# Altium PCB SX-SCPCB-038.PCB_DTMF密码锁模块PCB图V1.2.PcbDoc (part 2 of 2)
Units mm, origin at the board's own origin, x right, y up, seen from the top; angles counter-clockwise.
Board outline 230 x 100.2 mm, 2 copper layers (Top Layer, Bottom Layer); 112 components, 86 nets, 403 pads, 151 vias.
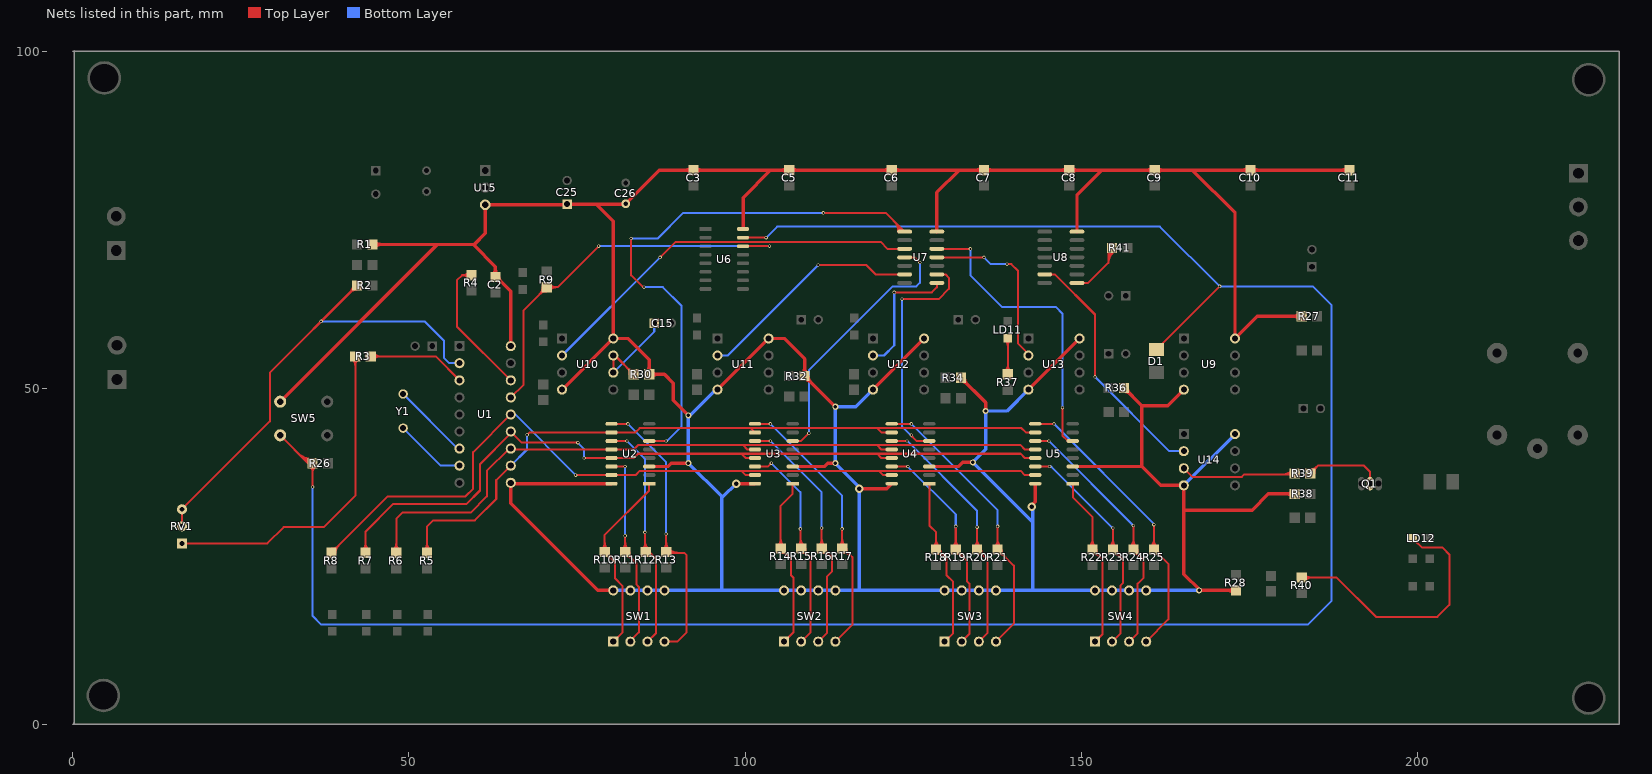
[diagram p2: the nets of this part, all layers, seen from the top]

## Via types
v1: diameter 0.5, hole 0.3, Top Layer to Bottom Layer, 141 vias
v2: diameter 0.9, hole 0.5, Top Layer to Bottom Layer, 7 vias
v3: diameter 1.27, hole 0.711, Top Layer to Bottom Layer, 3 vias

## Nets (pads, with @x,y where several pads share a name; then routed paths per layer and width w, separated by ;. In a path a pad name is that pad's centre, name@x,y a point inside that pad or via, vN(x,y) a via of type N, cw(c..) or ccw(c..) an arc to the next point about the centre after c; other vN are vias at no path point) (continued)
NetLD11_1: LD11.1 R37.1 | length 9.5
  Top Layer w0.3: R37.1@138.632,52.503 ccw(c137.587,53.548) 139.065,53.548 ccw(c140.542,53.547) R37.1@139.498,52.503 ; LD11.1@138.729,57.063 cw(c137.918,56.252) 139.065,56.252 cw(c140.212,56.252) LD11.1@139.401,57.063 ; R37.1@139.065,52.07 LD11.1@139.065,57.424
NetLD12_1: LD12.1 R40.2 | length 43.2
  Top Layer w0.3: R40.2@182.753,21.844 187.96,21.844 193.802,16.002 202.946,16.002 204.724,17.78 204.724,25.273 203.708,26.289 200.68,26.289 LD12.1@199.283,27.686 ; R40.2@183.186,21.411 cw(c184.231,20.367) 184.231,21.844 cw(c184.231,23.322) R40.2@183.186,22.277 ; LD12.1@199.308,27.211 cw(c199.308,26.125) 200.076,26.893 ; LD12.1@199.783,27.686 ccw(c200.99,27.686) 200.137,26.832
NetQ1_2: Q1.2 R39.1 | length 13.8
  Top Layer w0.3: R39.1@184.023,37.338 185.166,38.481 192.024,38.481 192.913,37.592 Q1.2@192.913,35.814 ; R39.1@184.023,37.95 ccw(c184.023,39.428) 185.068,38.383 ccw(c186.113,37.338) R39.1@184.635,37.338
NetR2_2: R2.2 RV1.2 RV1.3 U1.2 | length 73.6
  Top Layer w0.3: RV1.3@16.256,29.464 RV1.2@16.256,32.004 29.337,45.085 29.337,52.324 R2.2@42.291,65.278 ; R2.2@41.679,65.278 cw(c40.201,65.278) 41.246,64.233 cw(c42.291,63.189) R2.2@42.291,64.666
  Bottom Layer w0.3: v1(36.957,59.944) 52.324,59.944 55.245,57.023 55.245,54.483 56.007,53.721 U1.2@57.531,53.721
NetR3_1: R3.1 RV1.1 | length 51.7
  Top Layer w0.3: RV1.1@16.256,26.924 28.956,26.924 31.369,29.337 37.338,29.337 42.037,34.036 R3.1@42.037,54.737 ; R3.1@41.604,54.304 cw(c40.559,53.259) 42.037,53.259 cw(c43.515,53.259) R3.1@42.47,54.304
NetR3_2: R3.2 U1.3 | length 17
  Top Layer w0.3: R3.2@44.323,54.737 53.975,54.737 U1.3@57.531,51.181 ; R3.2@44.756,54.304 cw(c45.801,53.259) 45.801,54.737 cw(c45.801,56.214) R3.2@44.756,55.17
NetR4_1: R4.1 U1.16 | length 22.8
  Top Layer w0.3: R4.1@58.859,66.387 ccw(c57.912,65.514) 57.912,66.802 ; R4.1@58.859,67.217 cw(c57.912,68.09) 57.912,66.802 ; R4.1@59.309,66.802 57.912,66.802 ; U1.16@65.151,51.181 57.15,59.182 57.15,66.04 57.912,66.802
NetR9_2: R9.2 U1.15 U6.14 | length 62.8
  Top Layer w0.3: U1.15@65.151,48.641 67.056,50.546 67.056,61.595 R9.2@70.485,65.024 72.136,65.024 v1(78.232,71.12) ; R9.2@69.873,65.024 cw(c68.395,65.024) 69.44,63.979 cw(c70.485,62.934) R9.2@70.485,64.412 ; R9.2@70.918,64.591 cw(c71.962,63.546) 71.962,65.024 cw(c71.962,66.501) R9.2@70.918,65.457 ; U6.14@99.695,71.12 v1(103.632,71.12)
  Bottom Layer w0.3: v1(78.232,71.12) v1(103.632,71.12)
NetR10_2: R10.2 SW1.1 U2.1 | length 32.6
  Top Layer w0.3: R10.2@78.688,26.087 ccw(c77.644,27.131) 79.121,27.131 ccw(c80.599,27.132) R10.2@79.554,26.087 ; R10.2@79.121,25.042 cw(c79.121,23.565) 80.166,24.609 cw(c81.211,25.654) R10.2@79.733,25.654 ; SW1.1@80.391,12.319 81.788,13.716 81.788,20.574 80.645,21.717 80.645,24.13 R10.2@79.121,25.654 79.121,28.194 85.725,34.798 U2.1@85.725,35.814
NetR11_2: R11.2 SW1.2 U2.14 | length 35.7
  Top Layer w0.3: U2.14@80.137,38.354 v1(82.169,38.354) ; R11.2@81.736,26.087 ccw(c80.692,27.131) 82.169,27.131 ccw(c83.647,27.132) R11.2@82.602,26.087 ; R11.2@82.169,25.042 cw(c82.169,23.565) 83.214,24.609 cw(c84.259,25.654) R11.2@82.781,25.654 ; v1(82.169,28.067) 82.169,26.543 ; SW1.2@82.931,12.319 82.931,12.446 84.201,13.716 84.201,20.447 83.82,20.828 83.82,24.003 R11.2@82.169,25.654 82.169,26.543 ; 82.169,26.543 cw(c81.829,26.543) 81.951,26.226 ccw(c81.829,26.543) 82.169,26.543 ; 82.169,26.543 ccw(c82.509,26.543) 82.387,26.226 cw(c82.509,26.543) 82.169,26.543
  Bottom Layer w0.3: v1(82.169,28.067) v1(82.169,38.354)
NetR12_2: R12.2 SW1.3 U2.11 | length 41.2
  Top Layer w0.3: U2.11@80.137,42.164 v1(82.423,42.164) ; R12.2@84.784,26.087 ccw(c84.046,26.825) 85.09,26.825 ; 85.09,26.714 ccw(c86.277,26.714) R12.2@85.438,25.875 ; 85.09,27.438 ccw(c87.001,27.438) R12.2@85.65,26.087 ; v1(85.09,28.575) 85.09,26.289 86.741,24.638 ; R12.2@85.219,25.642 cw(c85.385,24.851) R12.2@85.956,25.423 ; R12.2@85.281,25.349 cw(c85.52,24.202) 86.349,25.03 ; R12.2@85.342,25.055 cw(c85.656,23.553) 86.741,24.638 ; SW1.3@85.471,12.319 86.741,13.589 86.741,24.638
  Bottom Layer w0.3: v1(82.423,42.164) 85.09,39.497 v1(85.09,28.575)
NetR13_2: R13.2 SW1.4 U2.9 | length 47.8
  Top Layer w0.3: U2.9@80.137,44.704 v1(82.55,44.704) ; R13.2@87.832,26.087 ccw(c86.788,27.132) 88.265,27.132 ccw(c89.743,27.132) 88.698,26.087 ccw(c90.049,27.438) 90.049,25.527 ; SW1.4@88.011,12.319 89.916,12.319 91.313,13.716 91.313,25.146 90.932,25.527 88.646,25.527 88.265,25.908 v1(88.265,28.321) ; R13.2@88.486,25.875 ccw(c89.325,26.714) 89.325,25.527 ; R13.2@88.698,25.221 cw(c89.436,24.483) 89.436,25.527
  Bottom Layer w0.3: v1(82.55,44.704) 88.265,38.989 v1(88.265,28.321)
NetR14_2: R14.2 SW2.1 U3.1 | length 30.2
  Top Layer w0.3: R14.2@104.85,26.595 ccw(c103.806,27.64) 105.283,27.64 ccw(c106.761,27.64) R14.2@105.716,26.595 ; R14.2@105.283,25.55 cw(c105.283,24.073) 106.328,25.117 cw(c107.373,26.162) R14.2@105.895,26.162 ; SW2.1@105.791,12.319 107.188,13.716 107.188,21.844 106.807,22.225 106.807,24.638 R14.2@105.283,26.162 105.283,32.512 107.061,34.29 U3.1@107.061,35.814
NetR15_2: R15.2 SW2.2 U3.14 | length 37.7
  Top Layer w0.3: U3.14@101.625,38.354 103.378,38.354 v1(103.886,38.862) ; R15.2@107.898,26.595 ccw(c107.16,27.333) 108.204,27.333 ; 108.204,27.222 ccw(c109.391,27.222) R15.2@108.552,26.383 ; 108.204,27.946 ccw(c110.115,27.946) R15.2@108.764,26.595 ; v1(108.204,29.083) 108.204,26.289 R15.2@108.331,26.162 109.728,24.765 109.728,13.716 SW2.2@108.331,12.319 ; R15.2@108.331,25.55 cw(c108.331,24.073) 109.376,25.117 cw(c110.421,26.162) R15.2@108.943,26.162
  Top Layer w0.5: U3.14@101.473,38.354 U3.14@101.625,38.354
  Bottom Layer w0.3: v1(103.886,38.862) 108.204,34.544 v1(108.204,29.083)
NetR16_2: R16.2 SW2.3 U3.11 | length 42.6
  Top Layer w0.3: U3.11@101.473,42.164 v1(103.759,42.164) ; SW2.3@110.871,12.319 112.141,13.589 112.141,21.971 112.903,22.733 112.903,24.892 111.633,26.162 R16.2@111.379,26.162 v1(111.379,29.21) ; R16.2@110.946,26.595 ccw(c109.902,27.639) 111.379,27.639 ccw(c112.857,27.64) R16.2@111.812,26.595 ; R16.2@111.379,25.55 cw(c111.379,23.459) 112.857,24.938 ; R16.2@111.379,25.85 cw(c111.379,24.484) 112.345,25.45 ; R16.2@111.991,26.162 ccw(c112.855,26.162) 112.244,25.551
  Bottom Layer w0.3: v1(103.759,42.164) 111.379,34.544 v1(111.379,29.21)
NetR17_2: R17.2 SW2.4 U3.9 | length 46.6
  Top Layer w0.3: U3.9@101.473,44.704 v1(103.759,44.704) ; SW2.4@113.411,12.319 115.951,14.859 115.951,24.892 114.681,26.162 R17.2@114.427,26.162 v1(114.427,29.083) ; R17.2@113.994,26.595 ccw(c112.95,27.639) 114.427,27.639 ccw(c115.905,27.64) R17.2@114.86,26.595 ; R17.2@114.427,25.55 cw(c114.427,23.459) 115.905,24.938 ; R17.2@114.427,25.85 cw(c114.427,24.484) 115.393,25.45 ; R17.2@115.039,26.162 ccw(c115.903,26.162) 115.292,25.551
  Bottom Layer w0.3: v1(103.759,44.704) 114.427,34.036 v1(114.427,29.083)
NetR18_2: R18.2 SW3.1 U4.1 | length 31.4
  Top Layer w0.3: U4.1@127.381,35.814 127.381,29.591 128.397,28.575 R18.2@128.397,26.035 128.651,26.035 129.921,24.765 129.921,22.225 130.937,21.209 130.937,13.589 SW3.1@129.667,12.319 ; R18.2@127.964,26.468 ccw(c126.92,27.513) 128.397,27.513 ccw(c129.875,27.513) R18.2@128.83,26.468 ; R18.2@128.397,25.423 cw(c128.397,23.332) 129.875,24.811 ; R18.2@128.397,25.723 cw(c128.397,24.357) 129.363,25.323 ; R18.2@129.009,26.035 ccw(c129.873,26.035) 129.262,25.424
NetR19_2: R19.2 SW3.2 U4.14 | length 37.9
  Top Layer w0.3: U4.14@121.793,38.354 v1(124.206,38.354) ; R19.2@130.885,26.468 ccw(c129.841,27.513) 131.318,27.513 ccw(c132.796,27.513) R19.2@131.751,26.468 ; R19.2@131.318,25.423 cw(c131.318,23.946) 132.363,24.99 cw(c133.408,26.035) R19.2@131.93,26.035 ; v1(131.318,29.464) R19.2@131.318,26.035 132.969,24.384 132.969,21.336 133.35,20.955 133.35,13.462 SW3.2@132.207,12.319
  Bottom Layer w0.3: v1(124.206,38.354) 131.318,31.242 131.318,29.211 v1(131.318,29.464)
NetR20_2: R20.2 SW3.3 U4.11 | length 42.2
  Top Layer w0.3: U4.11@121.793,42.164 v1(124.079,42.164) ; R20.2@134.06,26.468 ccw(c133.016,27.513) 134.493,27.513 ccw(c135.971,27.513) R20.2@134.926,26.468 ; R20.2@134.493,25.423 cw(c134.493,23.946) 135.538,24.99 cw(c136.583,26.035) R20.2@135.105,26.035 ; v1(134.493,29.337) R20.2@134.493,26.035 136.017,24.511 136.017,13.589 SW3.3@134.747,12.319
  Bottom Layer w0.3: v1(124.079,42.164) 134.493,31.75 v1(134.493,29.337)
NetR21_2: R21.2 SW3.4 U4.9 | length 47.4
  Top Layer w0.3: U4.9@121.793,44.704 v1(124.714,44.704) ; R21.2@137.108,26.468 ccw(c136.064,27.512) 137.541,27.512 ccw(c139.019,27.513) R21.2@137.974,26.468 ; SW3.4@137.287,12.319 139.954,14.986 139.954,23.622 R21.2@137.541,26.035 v1(137.541,29.464) ; R21.2@137.541,25.423 cw(c137.541,23.946) 138.586,24.99 cw(c139.631,26.035) R21.2@138.153,26.035
  Bottom Layer w0.3: v1(124.714,44.704) 137.541,31.877 v1(137.541,29.464)
NetR22_2: R22.2 SW4.1 U5.1 | length 30.5
  Top Layer w0.3: U5.1@148.717,35.814 148.717,33.782 151.638,30.861 R22.2@151.638,26.035 153.162,24.511 153.162,13.462 SW4.1@152.019,12.319 ; R22.2@151.205,26.468 ccw(c150.161,27.513) 151.638,27.513 ccw(c153.116,27.513) R22.2@152.071,26.468 ; R22.2@151.638,25.423 cw(c151.638,23.946) 152.683,24.99 cw(c153.728,26.035) R22.2@152.25,26.035
NetR23_2: R23.2 SW4.2 U5.14 | length 38.2
  Top Layer w0.3: U5.14@143.129,38.354 v1(145.288,38.354) ; R23.2@154.253,26.468 ccw(c153.209,27.513) 154.686,27.513 ccw(c156.164,27.513) R23.2@155.119,26.468 ; SW4.2@154.559,12.319 155.829,13.589 155.829,20.701 156.21,21.082 156.21,24.511 R23.2@154.686,26.035 v1(154.686,29.21) ; R23.2@154.686,25.423 cw(c154.686,23.946) 155.731,24.99 cw(c156.776,26.035) R23.2@155.298,26.035
  Bottom Layer w0.3: v1(145.288,38.354) 145.542,38.354 v1(154.686,29.21)
NetR24_2: R24.2 SW4.3 U5.11 | length 43.3
  Top Layer w0.3: U5.11@143.129,42.164 v1(145.161,42.164) ; SW4.3@157.099,12.319 158.369,13.589 158.369,20.955 159.258,21.844 159.258,24.511 R24.2@157.734,26.035 v1(157.734,29.591) ; R24.2@157.301,26.468 ccw(c156.257,27.513) 157.734,27.513 ccw(c159.212,27.513) R24.2@158.167,26.468 ; R24.2@157.734,25.423 cw(c157.734,23.946) 158.779,24.99 cw(c159.824,26.035) R24.2@158.346,26.035
  Bottom Layer w0.3: v1(145.161,42.164) v1(157.734,29.591)
NetR25_2: R25.2 SW4.4 U5.9 | length 48.2
  Top Layer w0.3: U5.9@143.129,44.704 v1(145.923,44.704) ; SW4.4@159.639,12.319 162.941,15.621 162.941,23.876 R25.2@160.782,26.035 v1(160.782,29.718) ; R25.2@160.349,26.468 ccw(c159.305,27.512) 160.782,27.512 ccw(c162.26,27.513) R25.2@161.215,26.468 ; R25.2@160.782,25.423 cw(c160.782,23.946) 161.827,24.99 cw(c162.872,26.035) R25.2@161.394,26.035
  Bottom Layer w0.3: v1(145.923,44.704) 160.782,29.845 v1(160.782,29.718)
NetR30_2: C15.1 R30.2 U10.6 U10.7 | length 19
  Top Layer w0.3: U10.6@80.391,52.324 U10.7@80.391,54.864 80.645,54.864 R30.2@83.439,52.07 ; R30.2@82.827,52.07 ccw(c81.349,52.07) 82.394,53.115 ccw(c83.439,54.16) R30.2@83.439,52.682
  Bottom Layer w0.3: U10.6@80.391,52.324 86.487,58.42 C15.1@86.487,59.69
NetR39_2: R39.2 U14.3 | length 20.6
  Top Layer w0.3: U14.3@165.227,38.1 166.497,36.83 173.863,36.83 174.223,37.19 181.589,37.19 R39.2@181.737,37.338 ; 179.902,37.19 ccw(c179.902,39.173) R39.2@181.304,37.771 ; 180.617,37.19 cw(c180.617,36.218) R39.2@181.304,36.905 ; 180.626,37.19 ccw(c180.626,38.449) R39.2@181.516,37.559
NetR41_2: R41.2 U8.8 | length 13.5
  Top Layer w0.3: U8.8@149.339,65.659 151.003,65.659 154.051,68.707 R41.2@154.051,70.866 ; U8.8@150.245,65.553 cw(c150.501,65.297) 150.501,65.659 cw(c150.501,66.021) U8.8@150.245,65.765 ; 154.051,68.648 cw(c156.195,68.648) R41.2@154.922,70.374 ; 154.051,69.242 cw(c155.757,69.242) R41.2@154.744,70.615 ; 154.051,69.836 cw(c155.319,69.836) R41.2@154.566,70.856
NetU1_7: U1.7 Y1.2 | length 11.7
  Bottom Layer w0.3: Y1.2@49.149,49.149 57.277,41.021 U1.7@57.531,41.021
NetU1_8: U1.8 Y1.1 | length 10.7
  Bottom Layer w0.3: Y1.1@49.149,44.069 54.737,38.481 U1.8@57.531,38.481
NetU2_6: U2.6 U7.1 | length 85.7
  Top Layer w0.3: v1(83.058,72.263) 83.058,66.802 84.836,65.024 v1(84.963,65.024) ; U2.6@85.725,42.164 v1(88.265,42.164) ; v1(111.633,76.073) 120.917,76.073 U7.1@123.711,73.279 ; 122.089,74.901 cw(c120.467,73.279) U7.1@122.761,73.279 ; 122.601,74.389 cw(c121.492,73.279) U7.1@123.061,73.279 ; 123.114,73.876 cw(c122.516,73.279) U7.1@123.361,73.279 ; U7.1@123.626,73.364 cw(c123.54,73.279) U7.1@123.661,73.279
  Bottom Layer w0.3: v1(83.058,72.263) 86.995,72.263 90.805,76.073 v1(111.633,76.073) ; v1(84.963,65.024) 87.757,65.024 90.551,62.23 90.551,44.323 88.392,42.164 v1(88.265,42.164)
NetU3_6: U3.6 U7.4 | length 39.8
  Top Layer w0.3: U3.6@107.061,42.164 108.331,42.164 v1(109.474,43.307) ; U7.4@123.711,69.469 125.222,69.469 v1(125.984,68.707)
  Bottom Layer w0.3: v1(109.474,43.307) 109.474,52.705 121.92,65.151 125.476,65.151 125.984,65.659 v1(125.984,68.707)
NetU4_6: U4.6 U7.9 | length 35.7
  Top Layer w0.3: v1(123.317,63.246) 128.778,63.246 130.302,64.77 130.302,66.421 129.794,66.929 U7.9@128.511,66.929 ; v1(124.714,43.053) 124.714,42.926 125.476,42.164 125.73,42.164 U4.6@127.381,42.164
  Bottom Layer w0.3: v1@123.317,63.373 123.317,44.323 124.904,42.735
NetU5_6: U5.6 U7.12 | length 45
  Top Layer w0.3: U7.12@128.511,70.739 v1(133.477,70.739) ; v1(147.193,47.117) 147.193,42.926 147.955,42.164 U5.6@148.717,42.164
  Bottom Layer w0.3: v1(133.477,70.739) 133.477,66.802 138.176,62.103 146.177,62.103 147.193,61.087 v1(147.193,47.117)
NetU7_3: U7.3 U10.2 | length 58.4
  Top Layer w0.3: v1(87.376,69.469) 89.662,71.755 120.142,71.755 121.158,70.739 U7.3@123.711,70.739
  Bottom Layer w0.3: U10.2@72.771,54.864 v1(87.376,69.469)
NetU7_6: U7.6 U11.2 | length 34
  Top Layer w0.3: v1(110.871,68.326) 117.983,68.326 119.38,66.929 U7.6@123.711,66.929
  Bottom Layer w0.3: U11.2@95.885,54.864 97.409,54.864 v1(110.871,68.326)
NetU7_8: U7.8 U12.2 | length 19
  Top Layer w0.3: v1(122.174,64.262) 127.762,64.262 128.511,65.011 U7.8@128.511,65.659
  Bottom Layer w0.3: U12.2@118.999,54.864 120.65,54.864 122.174,56.388 v1(122.174,64.262)
NetU7_11: U7.11 U13.2 | length 26.1
  Top Layer w0.3: U7.11@128.511,69.469 v1(135.509,69.469) ; v1(138.938,68.453) 139.573,68.453 140.589,67.437 140.589,56.642 142.113,55.118 U13.2@142.113,54.864
  Bottom Layer w0.3: v1(135.509,69.469) 136.525,68.453 v1(138.938,68.453)
NetU8_6: U8.6 U14.2 | length 37.6
  Top Layer w0.3: U8.6@144.539,66.929 146.05,66.929 152.019,60.96 v1(152.019,51.689) ; U8.6@145.445,66.823 cw(c145.701,66.567) 145.701,66.929 cw(c145.701,67.291) U8.6@145.445,67.035
  Bottom Layer w0.3: v1(152.019,51.689) 163.068,40.64 U14.2@165.227,40.64
Q1: R5.2 U1.11 U2.10 U3.10 U4.10 U5.10 | length 110.7
  Top Layer w0.3: R5.2@52.272,25.96 ccw(c51.228,27.005) 52.705,27.005 ccw(c54.183,27.005) R5.2@53.138,25.96 ; R5.2@52.705,25.527 52.705,29.464 53.594,30.353 59.817,30.353 62.992,33.528 62.992,36.322 U1.11@65.151,38.481 ; v1(67.595,43.084) 67.945,43.434 U2.10@80.137,43.434 83.693,43.434 84.328,44.069 100.838,44.069 ; 99.314,44.069 100.838,44.069 ; U3.10@101.509,43.398 100.838,44.069 ; U4.10@121.793,43.434 120.269,43.434 119.634,44.069 ; 122.301,44.069 119.634,44.069 ; 122.428,44.069 141.097,44.069 141.732,43.434 U5.10@143.129,43.434 ; 100.838,44.069 119.634,44.069
  Bottom Layer w0.3: U1.11@65.151,38.481 67.564,40.894 67.564,43.053 v1(67.595,43.084)
Q2: R6.2 U1.12 U2.12 U3.12 U4.12 U5.12 | length 114
  Top Layer w0.3: R6.2@47.7,25.96 ccw(c46.656,27.005) 48.133,27.005 ccw(c49.611,27.005) R6.2@48.566,25.96 ; R6.2@48.133,25.527 48.133,30.607 49.022,31.496 59.182,31.496 61.595,33.909 61.595,37.719 64.897,41.021 U1.12@65.151,41.021 65.278,40.894 74.676,40.894 U2.12@80.137,40.894 83.439,40.894 84.074,41.529 99.695,41.529 ; U3.12@101.473,40.894 100.33,40.894 99.695,41.529 ; U4.12@121.793,40.894 120.269,40.894 119.634,41.529 ; U5.12@143.129,40.894 141.605,40.894 140.97,41.529 119.634,41.529 ; 99.695,41.529 119.634,41.529
Q3: R7.2 U1.13 U2.13 U3.13 U4.13 U5.13 | length 121.3
  Top Layer w0.3: R7.2@43.128,25.96 ccw(c42.084,27.005) 43.561,27.005 ccw(c45.039,27.005) R7.2@43.994,25.96 ; R7.2@43.561,25.527 43.561,28.702 47.625,32.766 58.547,32.766 60.579,34.798 60.579,38.718 65.151,43.29 U1.13@65.151,43.561 66.802,41.91 v1(75.118,41.91) ; v1(76.073,39.624) U2.13@80.137,39.624 83.439,39.624 84.074,40.259 99.441,40.259 ; U3.13@101.473,39.624 100.076,39.624 99.441,40.259 ; U4.13@121.793,39.624 120.269,39.624 119.634,40.259 ; U5.13@143.129,39.624 141.605,39.624 140.97,40.259 119.634,40.259 ; 99.441,40.259 119.634,40.259
  Bottom Layer w0.3: v1(75.118,41.91) 76.073,40.955 v1(76.073,39.624)
Q4: R8.2 U1.14 U2.15 U3.15 U4.15 U5.15 | length 127.4
  Top Layer w0.3: R8.2@38.481,25.527 46.863,33.909 58.42,33.909 59.563,35.052 59.563,40.513 U1.14@65.151,46.101 ; R8.2@38.481,26.139 ccw(c38.481,27.617) 39.526,26.572 ccw(c40.571,25.527) R8.2@39.093,25.527 ; v1(74.803,37.084) U2.15@80.137,37.084 83.693,37.084 84.328,37.719 99.568,37.719 ; U3.15@101.473,37.084 100.076,37.084 99.568,37.592 99.568,37.719 ; U4.15@121.793,37.084 120.523,37.084 119.888,37.719 ; U5.15@143.129,37.084 141.605,37.084 140.97,37.719 119.888,37.719 ; 99.568,37.719 119.888,37.719
  Bottom Layer w0.3: U1.14@65.151,46.101 65.786,46.101 v1(74.803,37.084)
RESET: D1.2 R26.2 SW5.2 U6.15 | length 341
  Top Layer w0.3: SW5.2@30.861,43.006 35.005,38.862 R26.2@35.687,38.862 v1(35.687,35.306) ; 33.478,40.389 ccw(c35.687,42.598) R26.2@35.687,39.474 ; 33.99,39.877 ccw(c35.687,41.574) R26.2@35.687,39.174 ; 34.502,39.365 ccw(c35.687,40.55) R26.2@35.687,38.874 ; R26.2@35.254,38.429 cw(c34.209,37.385) 35.687,37.385 cw(c37.164,37.385) R26.2@36.12,38.429 ; U6.15@99.695,72.39 v1(103.124,72.39) ; D1.2@161.163,55.753 v1(170.561,65.151)
  Bottom Layer w0.3: v1(35.687,35.306) 35.687,16.129 36.957,14.859 183.642,14.859 187.198,18.415 187.198,62.357 184.404,65.151 v1(170.561,65.151) 161.671,74.041 104.775,74.041 v1(103.124,72.39)
VCC: C2.2 C3.2 C5.2 C6.2 C7.2 C8.2 C9.2 C10.2 C11.2 C25.1 C26.2 R1.2 R27.1 R28.1 R30.1 R32.1 R34.1 R36.1 R38.1 SW1.5 SW1.6 SW1.7 SW1.8 SW2.5 SW2.6 SW2.7 SW2.8 SW3.5 SW3.6 SW3.7 SW3.8 SW4.5 SW4.6 SW4.7 SW4.8 SW5.1 U1.10 U1.18 U2.3 U2.16 U3.3 U3.16 U4.3 U4.16 U5.3 U5.16 U6.16 U7.14 U8.14 U9.4 U9.8 U10.4 U10.8 U11.4 U11.8 U12.4 U12.8 U13.4 U13.8 U14.4 U14.8 U15.3 | length 790.3
  Top Layer w0.5: SW5.1@30.861,48.006 54.229,71.374 ; R1.2@44.577,71.374 54.229,71.374 ; R1.2@44.939,71.012 cw(c45.813,70.138) 45.813,71.374 cw(c45.813,72.61) R1.2@44.939,71.736 ; 59.627,71.311 62.865,68.072 C2.2@62.865,66.548 63.022,66.548 65.151,64.419 U1.18@65.151,56.261 ; C2.2@62.503,66.91 ccw(c61.629,67.784) 62.865,67.784 ccw(c64.101,67.784) C2.2@63.227,66.91 ; C2.2@62.865,66.036 cw(c62.865,64.42) 64.007,65.563 ; C2.2@63.377,66.548 ccw(c64.233,66.548) 63.628,65.942 ; U10.4@72.771,49.784 U10.8@80.391,57.404 ; U2.16@80.137,35.814 65.278,35.814 U1.10@65.151,35.941 65.151,32.893 78.105,19.939 SW1.8@80.391,19.939 ; R30.1@85.363,52.432 ccw(c84.489,53.306) 85.725,53.306 ccw(c86.961,53.306) 86.087,52.432 ccw(c86.961,53.306) 86.961,52.07 ccw(c86.961,50.834) R30.1@86.087,51.708 ; U2.3@85.725,38.354 88.519,38.354 89.027,38.862 v2(91.567,38.862) ; v2(91.567,45.974) 89.316,48.225 89.316,50.765 88.011,52.07 R30.1@85.725,52.07 85.725,54.229 82.55,57.404 U10.8@80.391,57.404 ; C3.2@91.967,82.061 ccw(c91.093,81.187) 91.093,82.423 ccw(c91.093,83.659) C3.2@91.967,82.785 ; C3.2@92.691,82.061 cw(c93.565,81.187) 93.565,82.423 cw(c93.565,83.659) C3.2@92.691,82.785 ; U11.4@95.885,49.784 U11.8@103.505,57.404 105.791,57.404 108.839,54.356 R32.1@108.839,51.816 v2(113.411,47.244) ; v3(98.679,35.814) U3.16@101.473,35.814 ; U6.16@99.695,73.66 99.695,78.359 103.759,82.423 ; C5.2@106.191,82.061 ccw(c105.317,81.187) 105.317,82.423 ccw(c105.317,83.659) C5.2@106.191,82.785 ; C5.2@106.915,82.061 cw(c107.789,81.187) 107.789,82.423 cw(c107.789,83.659) C5.2@106.915,82.785 ; U3.3@107.061,38.354 111.76,38.354 112.268,38.862 v2(113.411,38.862) ; R32.1@108.477,52.178 ccw(c107.603,53.052) 108.839,53.052 ccw(c110.075,53.052) R32.1@109.201,52.178 ; R32.1@108.839,51.304 cw(c108.839,50.068) 109.713,50.942 cw(c110.587,51.816) R32.1@109.351,51.816 ; v3(116.967,35.052) 121.031,35.052 U4.16@121.793,35.814 ; U12.4@118.999,49.784 U12.8@126.619,57.404 ; C6.2@121.431,82.061 ccw(c120.557,81.187) 120.557,82.423 ccw(c120.557,83.659) C6.2@121.431,82.785 ; C6.2@122.155,82.061 cw(c123.029,81.187) 123.029,82.423 cw(c123.029,83.659) C6.2@122.155,82.785 ; U4.3@127.381,38.354 131.699,38.354 132.334,38.989 v2(133.858,38.989) ; U7.14@128.511,73.279 128.511,79.108 131.826,82.423 ; R34.1@132.08,51.05 cw(c132.08,49.814) 132.954,50.688 cw(c133.828,51.562) R34.1@132.592,51.562 ; R34.1@132.08,51.562 135.763,47.879 v2(135.763,46.609) ; C7.2@135.147,82.061 ccw(c134.273,81.187) 134.273,82.423 ccw(c134.273,83.659) C7.2@135.147,82.785 ; C7.2@135.871,82.061 cw(c136.745,81.187) 136.745,82.423 cw(c136.745,83.659) C7.2@135.871,82.785 ; U13.4@142.113,49.719 U13.4@142.113,49.784 U13.8@149.733,57.404 ; v3(142.621,32.385) 142.367,32.385 143.129,33.147 U5.16@143.129,35.814 ; C8.2@147.847,82.061 ccw(c146.973,81.187) 146.973,82.423 ccw(c146.973,83.659) C8.2@147.847,82.785 ; C8.2@148.571,82.061 cw(c149.445,81.187) 149.445,82.423 cw(c149.445,83.659) C8.2@148.571,82.785 ; U5.3@148.717,38.354 158.921,38.354 158.963,38.395 ; U8.14@149.339,73.279 149.339,78.727 153.035,82.423 ; SW4.8@152.019,19.939 SW4.8@152.019,20.066 ; R36.1@156.337,49.526 cw(c156.337,48.29) 157.211,49.164 cw(c158.085,50.038) R36.1@156.849,50.038 ; R36.1@156.337,50.038 158.963,47.412 ; C9.2@160.547,82.061 ccw(c159.673,81.187) 159.673,82.423 ccw(c159.673,83.659) C9.2@160.547,82.785 ; C9.2@161.271,82.061 cw(c162.145,81.187) 162.145,82.423 cw(c162.145,83.659) C9.2@161.271,82.785 ; U9.4@165.227,49.784 162.855,47.412 158.963,47.412 ; v2(167.513,19.939) v2@167.64,19.939 ; 171.709,19.939 cw(c171.709,18.662) R28.1@172.612,19.565 ; 171.767,19.939 ccw(c171.767,21.134) R28.1@172.612,20.289 ; R28.1@172.974,19.927 172.962,19.939 v2@167.64,19.939 ; C10.2@174.771,82.061 ccw(c173.897,81.187) 173.897,82.423 ccw(c173.897,83.659) C10.2@174.771,82.785 ; C10.2@175.495,82.061 cw(c176.369,81.187) 176.369,82.423 cw(c176.369,83.659) C10.2@175.495,82.785 ; R38.1@181.375,33.928 ccw(c180.501,33.054) 180.501,34.29 ccw(c180.501,35.526) R38.1@181.375,34.652 ; R38.1@181.737,34.29 177.8,34.29 175.387,31.877 165.227,31.877 ; R27.1@182.391,60.344 ccw(c181.517,59.47) 181.517,60.706 ccw(c181.517,61.942) R27.1@182.391,61.068 ; R27.1@182.753,60.706 176.149,60.706 U9.8@172.847,57.404 172.847,76.073 166.497,82.423 ; C11.2@189.503,82.061 ccw(c188.629,81.187) 188.629,82.423 ccw(c188.629,83.659) C11.2@189.503,82.785 ; C11.2@189.865,82.423 C10.2@175.133,82.423 166.497,82.423 ; 54.229,71.374 59.69,71.374 61.341,73.025 U15.3@61.341,77.282 73.432,77.282 C25.1@73.533,77.384 77.851,77.384 ; 77.851,77.384 82.197,77.384 C26.2@82.245,77.432 87.236,82.423 C3.2@92.329,82.423 103.759,82.423 ; 77.851,77.384 80.391,74.844 U10.8@80.391,57.404 ; 103.759,82.423 C5.2@106.553,82.423 C6.2@121.793,82.423 131.826,82.423 ; 131.826,82.423 C7.2@135.509,82.423 C8.2@148.209,82.423 153.035,82.423 ; 153.035,82.423 C9.2@160.909,82.423 166.497,82.423 ; 158.963,38.395 161.798,35.56 U14.4@165.227,35.56 165.227,31.877 ; 158.963,38.395 158.963,47.412 ; 165.227,31.877 165.227,22.352 v2@167.64,19.939
  Bottom Layer w0.5: SW1.8@80.391,19.939 SW1.7@82.931,19.939 SW1.6@85.471,19.939 SW1.5@88.011,19.939 96.52,19.939 ; U11.4@95.885,49.784 95.631,49.784 91.821,45.974 v2(91.567,45.974) v2(91.567,38.862) 96.52,33.909 ; v3(98.679,35.814) 96.774,33.909 96.52,33.909 ; 116.967,20.193 v3(116.967,35.052) ; U12.4@118.999,49.784 116.459,47.244 v2(113.411,47.244) v2(113.411,38.862) v3@116.967,35.306 ; U13.4@142.113,49.784 138.938,46.609 v2(135.763,46.609) 135.763,40.894 v2(133.858,38.989) 142.748,30.099 ; v3(142.621,32.385) 142.367,32.385 142.748,32.004 142.748,30.099 ; U14.4@165.227,35.56 U14.8@172.847,43.18 ; v2(167.513,19.939) SW4.5@159.639,19.939 SW4.6@157.099,19.939 SW4.7@154.559,19.939 SW4.8@152.019,19.939 142.875,19.939 ; 96.52,19.939 SW2.8@105.791,19.939 SW2.7@108.331,19.939 SW2.6@110.871,19.939 SW2.5@113.411,19.939 SW3.8@129.667,19.939 SW3.7@132.207,19.939 SW3.6@134.747,19.939 SW3.5@137.287,19.939 142.875,19.939 ; 96.52,19.939 96.52,33.909 ; v3(116.967,35.052) 117.221,35.052 v3@116.967,35.306 ; v3(116.967,35.052) v3@116.967,35.306 ; 142.748,30.099 142.748,20.066 142.875,19.939
pads on no net: SW5.3 SW5.4 U2.5 U2.7 U3.5 U3.7 U4.5 U4.7 U5.5 U5.7 U6.1 U6.3 U6.5 U6.6 U6.9 U6.11 U6.12 U8.3 U8.11

## Polygon pours and split planes (outlines as drawn)
GND on Bottom Layer "Bottom Layer-No Net" (solid, remove dead copper, pour order 7): 0,100.076 0,0 229.997,0 229.997,100.076 0,100.076
GND on Top Layer "Bottom Layer-No Net" (solid, remove dead copper, pour order 5): 0.127,99.875 0.254,99.748 0.254,0.053 229.87,0.053 229.87,99.875 0.254,99.875

## Silkscreen, mask and mechanical layers (free items; w line width, h text height)
Top Overlay:
  text "DTMF密码锁模块" at 189.611,95.25 h2.5
  text "SX-SCPCB-038.PCB-V1.2" at 181.61,92.329 h3
  text "NO" at 216.789,81.407 h2
  text "COM" at 215.646,76.2 h2
  text "+12V" at 11.811,74.93 h1.52
  text "NC" at 216.662,71.247 h2
  text "GND" at 12.573,69.596 h1.52
  text "VOICE+" at 12.192,55.372 h1.52
  text "GND" at 12.827,50.292 h1.52
  text "China" at 16.168,3.724 h2.5
  text "2018" at 23.868,3.724 h2.5
  text "制板要求：厚度 1.6（mm）、板材 FR-4、铜厚 35um、镀层 喷锡、双面绿油白字" at 12.827,-8.382 h4
  text "PCB板尺寸：180*80（mm）.单双面板：双面，过孔开窗" at 31.868,-14.72 h4
Mechanical 1:
  lines w0.25: 229.997,0 229.997,100.076 0,100.076 0,0 230,0

## Text inside footprints (layer, text, board x,y; h text height)
Q1: Top Overlay "3" at 193.423,33.384 h1.5 r270; Top Overlay "1" at 191.013,33.154 h1.5 r270
U15: Top Overlay "3" at 57.516,77.782 h1.5 r270; Top Overlay "1" at 57.516,82.612 h1.5 r270; Top Overlay "2" at 57.516,80.322 h1.5 r270